# KiCad board UFC_Main.kicad_pcb (continued)
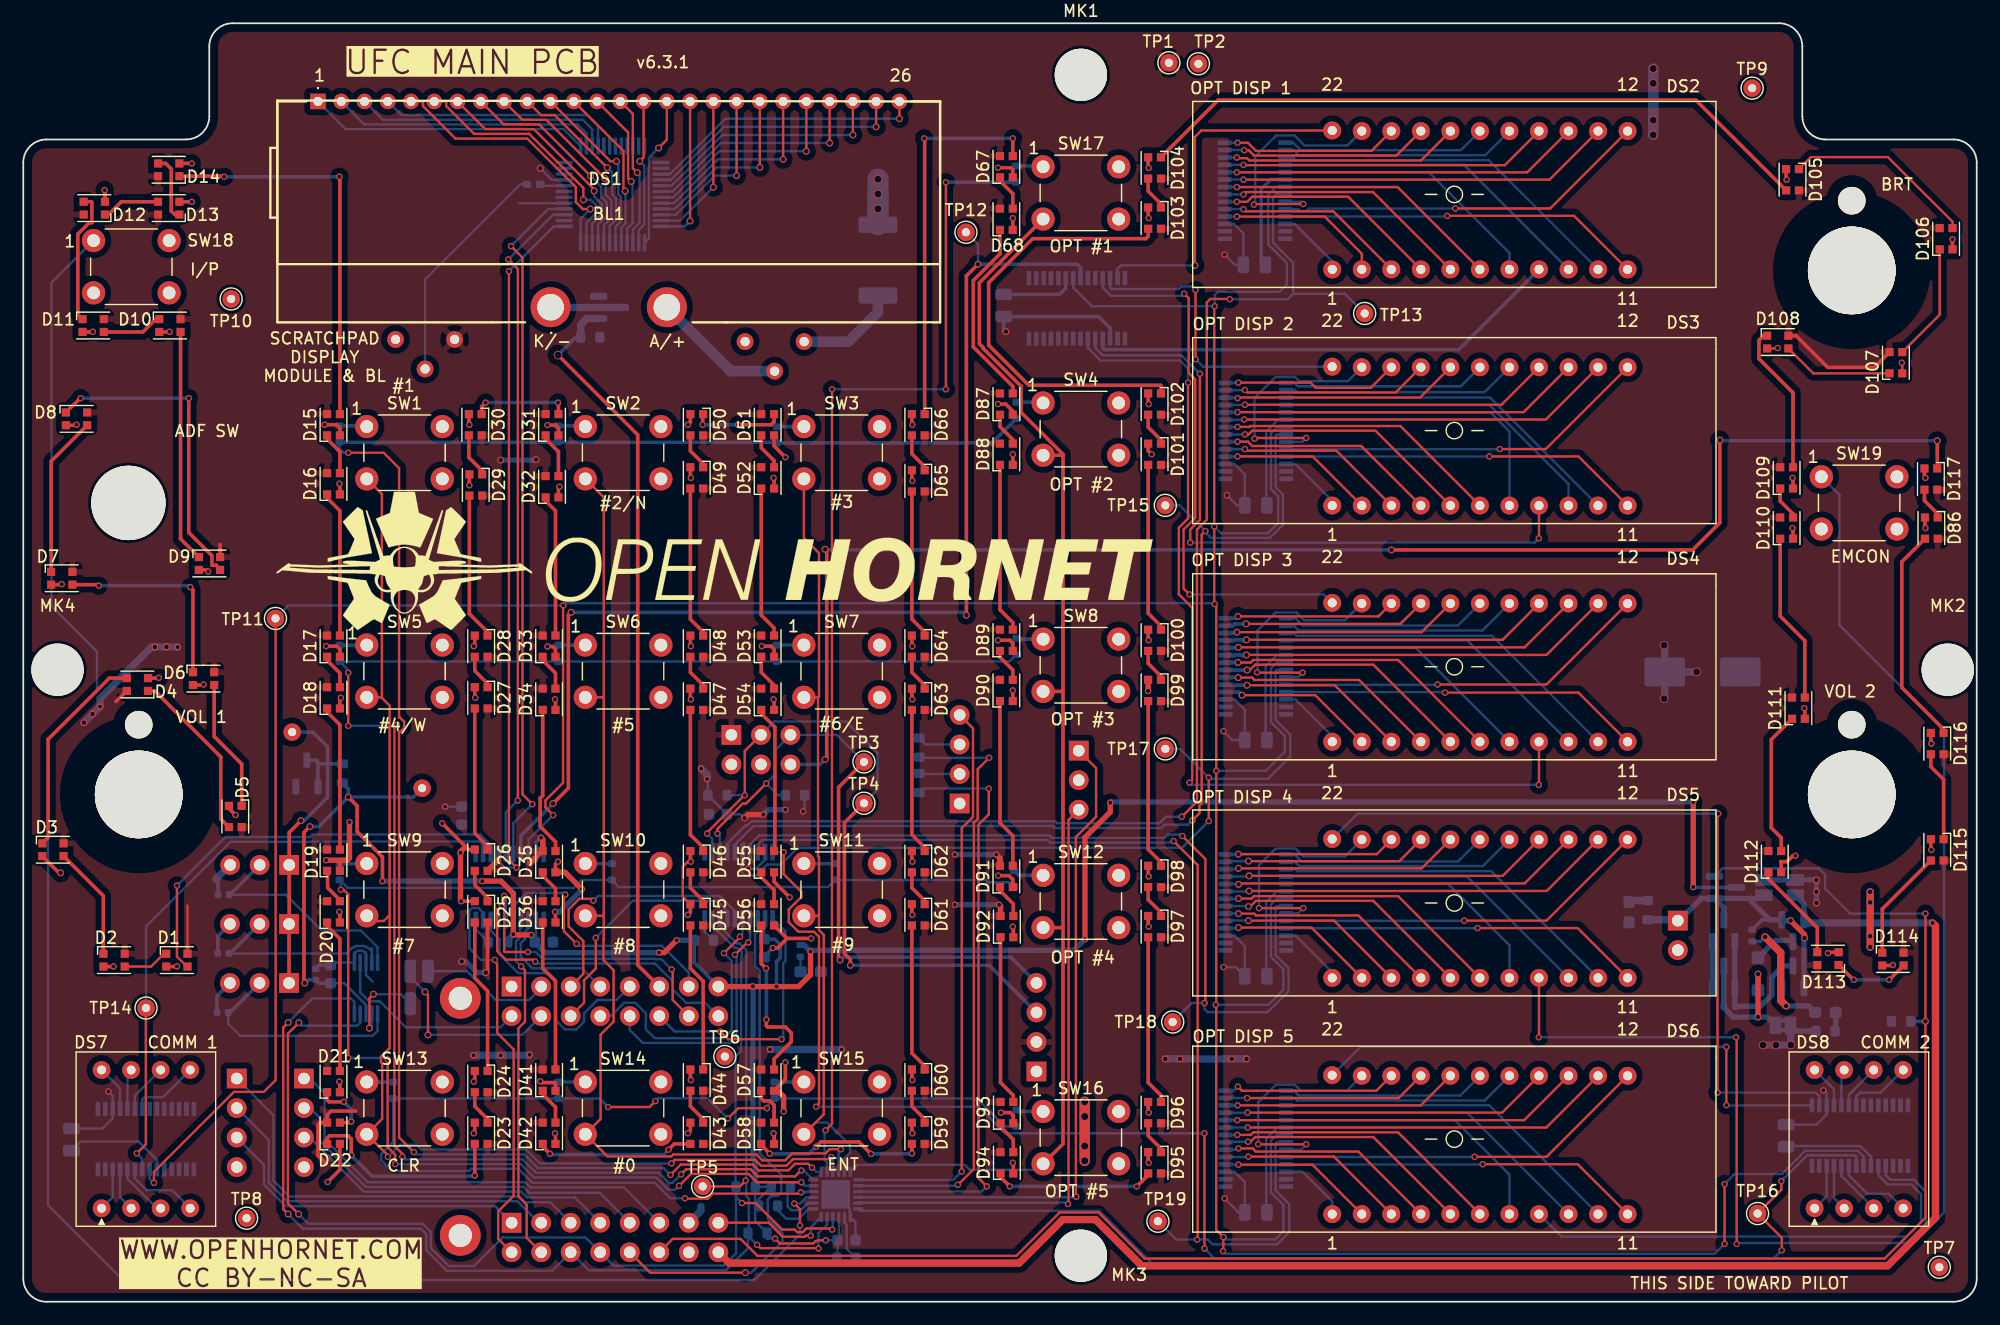
[diagram p0: board, top side]
## Routing (per net, layer and track width the routed paths; a pad name or vN(x,y) marks a point on that pad's centre or on a via; arc(x,y) is an arc through that point) (continued)
VBUS: length 149.1
  Top w0.635: MC1.32 60.71,3.33 85.66,3.33 89.4,7.07 92.22,7.07 96.19,3.1 160.34,3.1 164.45,7.22 164.45,32.34 v1(164.21,32.59)
  Bottom w0.457: JP3.1 153.14,34.24 Q4.2
  Bottom w0.635: Q4.2 153.42,32.59 v1(164.21,32.59)
VCC: length 25.5
  Top w0.457: v2(151.99,32.79) 153.19,31.59 v2(153.19,31.29)
  Bottom w0.305: 150.19,32.87 149.54,32.87 R6.1
  Bottom w0.457: JP2.1 149.4,34.7 148.59,34.7 ; Q8.1 153.14,31.24 v2(153.19,31.29) ; Q6.3 146.24,33.92 Q5.1 ; Q5.1 144.3,34.7 142.39,32.79 ; Q5.1 148.59,34.7 ; Q5.1 145.54,34.79 ; 148.59,34.7 148.59,34.47 150.19,32.87 Q4.1 151.32,32.79 v2(151.99,32.79)
  Bottom w0.635: R13.1 142.22,32.87
VCC_SNS@3.3V: length 162.8
  Top w0.203: v1(163.59,33.39) 163.59,33.39 v2(163.59,24.12) 163.59,7.22 160.08,3.72 96.44,3.72 92.47,7.69 89.14,7.69 85.4,3.95 63.15,3.95 61.68,5.41 55.85,5.41 MC1.30
  Bottom w0.203: Q5.2 146.14,37.29 154.41,37.29 154.96,36.74 154.96,35.55 157.11,33.39 v1(163.59,33.39)
  Bottom w0.305: R5.1 v2(163.59,24.12)
/1A: length 15.3
  Top w0.203: DS2.20 115.95,99.02 106.02,99.02 105.32,99.72 v1(104.43,99.72)
  Bottom w0.203: U2.28 104.42,99.72 v1(104.43,99.72)
/1B: length 17.9
  Top w0.203: DS2.19 118.09,98.61 105.85,98.61 105.38,99.08 v1(105,99.08)
  Bottom w0.203: U2.27 104.99,99.09 v1(105,99.08)
/1C: length 20.6
  Top w0.203: v1(104.37,98.45) 104.42,98.39 105.25,98.39 105.45,98.19 120.2,98.19 DS2.18
  Bottom w0.203: v1(104.37,98.45) 104.36,98.45 U2.26
/1D: length 14.5
  Top w0.203: v1(104.37,93.37) 111.92,93.37 115.11,90.18 DS2.2
  Bottom w0.203: v1(104.37,93.37) 104.36,93.37 U2.18
/1DP: length 41.2
  Bottom w0.305: DS2.8 123.44,81.91 92.99,81.91 92.83,82.07 U12.18
/1E: length 16.5
  Top w0.203: v1(104.94,94) 105.12,93.82 112.66,93.82 DS2.3
  Bottom w0.203: U2.19 104.93,94.01 v1(104.94,94)
/1F: length 19.6
  Top w0.203: DS2.4 113.94,95.07 105.69,95.07 105.26,94.64 v1(104.37,94.64)
  Bottom w0.203: v1(104.37,94.64) 104.36,94.64 U2.20
/1G: length 22.2
  Top w0.203: DS2.5 116.08,95.48 105.14,95.48 v1(104.94,95.27)
  Bottom w0.203: v1(104.94,95.27) 104.93,95.28 U2.21
/1H: length 24.9
  Top w0.203: v1(104.37,95.91) 118.19,95.91 DS2.6
  Bottom w0.203: U2.22 104.36,95.91 v1(104.37,95.91)
/1I: length 33.8
  Top w0.203: DS2.13 131.25,96.54 v1(104.94,96.54)
  Bottom w0.203: U2.23 104.93,96.55 v1(104.94,96.54)
/1J: length 31
  Top w0.203: v1(104.37,97.18) 129.35,97.18 DS2.14
  Bottom w0.203: U2.24 104.36,97.18 v1(104.37,97.18)
/1K: length 28.2
  Top w0.203: v1(104.94,97.81) 104.96,97.79 127.42,97.79 DS2.15
  Bottom w0.203: U2.25 104.93,97.82 v1(104.94,97.81)
/1L: length 20.3
  Bottom w0.203: DS2.16 125.73,98.64 109.7,98.64 109.25,99.09 108.54,99.09
/1M: length 17.7
  Bottom w0.203: 108.54,99.72 109.21,99.72 109.85,99.08 123.63,99.08 DS2.17
/1N: length 28.1
  Bottom w0.203: 108.54,97.82 123.9,97.82 DS2.9
/1O: length 30.9
  Bottom w0.203: DS2.10 126.03,98.22 109.44,98.22 109.21,98.45 108.54,98.45
/1P: length 23.6
  Bottom w0.203: DS2.7 127.81,90.23 120.86,97.18 108.54,97.18
/2A: length 15.2
  Top w0.203: v1(104.49,79.08) 110.72,79.08 111.16,78.63 115.89,78.63 DS3.20
  Bottom w0.203: v1(104.49,79.08) 104.48,79.06 U3.28
/2B: length 17.8
  Top w0.203: v1(105.06,78.44) 105.28,78.23 118.02,78.23 DS3.19
  Bottom w0.203: U3.27 105.05,78.43 v1(105.06,78.44)
/2C: length 20.4
  Top w0.203: v1(104.43,77.75) 104.48,77.8 120.13,77.8 DS3.18
  Bottom w0.203: v1(104.43,77.75) 104.38,77.79 U3.26
/2D: length 13.5
  Top w0.203: v1(104.43,72.73) 110.89,72.73 DS3.2
  Bottom w0.203: U3.18 104.41,72.71 v1(104.43,72.73)
/2DP: length 58.7
  Top w0.203: v1(101.19,79.84) 101.19,67.27 100.36,66.44 v1(100.36,65.31) 100.49,65.45 ; v1(130.34,65.68) 130.35,65.7 DS3.8
  Bottom w0.203: v1(100.36,65.31) 129.97,65.31 v1(130.34,65.68) ; U12.19 92.2,82.06 92.83,81.43 99.6,81.43 v1(101.19,79.84)
/2E: length 16.3
  Top w0.203: DS3.3 112.93,73.22 105.21,73.22 v1(105.06,73.36)
  Bottom w0.203: v1(105.06,73.36) 105.05,73.35 U3.19
/2F: length 19.1
  Top w0.203: v1(104.43,74) 105.32,74 105.69,73.63 115.07,73.63 DS3.4
  Bottom w0.203: v1(104.43,74) 104.41,73.98 U3.20
/2G: length 22.1
  Top w0.203: DS3.5 116.29,74.94 105.69,74.94 105.38,74.63 v1(105.07,74.63)
  Bottom w0.203: v1(105.07,74.63) 105.06,74.62 U3.21
/2H: length 24.7
  Top w0.203: DS3.6 118.43,75.35 105.53,75.35 105.45,75.27 v1(104.43,75.27)
  Bottom w0.203: U3.22 104.41,75.25 v1(104.43,75.27)
/2I: length 33.9
  Top w0.203: DS3.13 130.93,75.9 v1(105,75.9)
  Bottom w0.203: U3.23 104.98,75.89 v1(105,75.9)
/2J: length 31.1
  Top w0.203: DS3.14 129.03,76.54 v1(104.43,76.54)
  Bottom w0.203: v1(104.43,76.54) 104.41,76.52 U3.24
/2K: length 28.3
  Top w0.203: DS3.15 127.12,77.17 v1(105.06,77.17)
  Bottom w0.203: v1(105.06,77.17) 105.05,77.16 U3.25
/2L: length 20.2
  Bottom w0.203: DS3.16 125.66,78.25 109.55,78.25 109.37,78.43 U3.2
/2M: length 17.5
  Bottom w0.203: DS3.17 123.63,78.76 109.61,78.76 109.31,79.06 U3.1
/2N: length 29
  Bottom w0.203: U3.4 126.1,77.16 132.89,70.36 DS3.9
/2O: length 30.7
  Bottom w0.203: DS3.10 126.14,77.79 U3.3
/2P: length 26.3
  Bottom w0.203: U3.5 126.16,76.52 127.81,74.87 DS3.7
/3A: length 14.9
  Top w0.203: DS4.20 116.54,58.97 v2(104.47,58.97)
  Bottom w0.305: 104.61,58.97 104.46,58.82 103.42,58.82
/3B: length 17.6
  Top w0.203: DS4.19 118.43,58.32 v2(105.17,58.32)
  Bottom w0.305: v2(105.17,58.32) 104.22,58.32 104.16,58.26 104.1,58.26 104.01,58.17 U4.27
/3C: length 20.3
  Top w0.203: v2(104.37,57.61) 120.26,57.61 DS4.18
  Bottom w0.305: U4.26 104.36,57.53
/3D: length 13.5
  Top w0.203: v2(104.81,52.19) 111.11,52.19 DS4.2
  Bottom w0.305: U4.18 104.54,52.45 v2(104.81,52.19)
/3DP: length 80.5
  Top w0.203: DS4.8 130.35,44.49 v1(130.34,44.47) ; v1(100.18,79.08) 100.18,67.39 99.38,66.6 99.38,60.86 100.53,59.71 100.53,44.89 v1(100.3,44.66)
  Bottom w0.203: v1(100.3,44.66) 100.49,44.47 v1(130.34,44.47) ; U12.20 91.56,82.06 92.64,80.98 99.48,80.98 100.18,80.29 v1(100.18,79.08)
/3E: length 16.2
  Top w0.203: v2(105.24,53.05) 112.79,53.05 DS4.3
  Top w0.305: 105.24,53.04 v2(105.24,53.05)
  Bottom w0.305: 103.45,53.05 v2(105.24,53.05)
/3F: length 19.2
  Top w0.203: DS4.4 114.88,53.5 105.88,53.5 105.68,53.7 v2(104.49,53.7)
  Bottom w0.305: U4.20 104.61,53.72
/3G: length 22.3
  Top w0.203: v2(105.24,54.35) 105.48,54.35 105.95,54.81 116.1,54.81 DS4.5
  Top w0.305: 105.26,54.33 v2(105.24,54.35)
  Bottom w0.305: 103.42,54.35 v2(105.24,54.35)
/3H: length 25
  Top w0.203: v2(104.47,55) 105.57,55 105.78,55.22 118.24,55.22 DS4.6
  Bottom w0.305: U4.22 104.54,54.99
/3I: length 34
  Top w0.203: v2(105.19,55.65) 131,55.65 DS4.13
  Top w0.305: 105.25,55.71 v2(105.19,55.65)
  Bottom w0.305: v2(105.19,55.65) 105.12,55.58 104.81,55.58 104.74,55.65 104.2,55.65 104.12,55.58 103.46,55.58
/3J: length 31.1
  Top w0.203: v2(104.5,56.3) 129.12,56.3 DS4.14
  Top w0.305: 104.52,56.33 v2(104.5,56.3)
  Bottom w0.305: U4.24 104.55,56.26
/3K: length 28.5
  Top w0.203: v2(105.2,56.96) 127.23,56.96 DS4.15
  Top w0.305: v2(105.2,56.96) 105.25,56.96 105.31,56.9
  Bottom w0.305: 103.42,56.88 104.15,56.88 104.23,56.96 104.77,56.96 104.84,56.88 105.12,56.88 v2(105.2,56.96)
/3L: length 20.4
  Bottom w0.203: DS4.16 125.47,57.74 109.7,57.74 109.27,58.17 U4.2
/3M: length 17.7
  Bottom w0.203: DS4.17 123.38,58.19 110.02,58.19 109.4,58.8 U4.1
/3N: length 27.9
  Bottom w0.203: U4.4 124.18,56.9 DS4.9
/3O: length 30.7
  Bottom w0.203: U4.3 109.27,57.53 109.51,57.3 126.31,57.3 DS4.10
/3P: length 22.6
  Bottom w0.203: U4.5 119.73,56.26 DS4.7
/4A: length 14.8
  Top w0.203: v2(104.49,38.51) 116.4,38.51 DS5.20
  Bottom w0.203: U7.28 104.47,38.48 v2(104.49,38.51)
/4B: length 17.5
  Top w0.203: v2(105.37,37.91) 118.34,37.91 DS5.19
  Bottom w0.203: 103.45,37.89 103.46,37.91 v2(105.37,37.91)
/4C: length 20.4
  Top w0.203: DS5.18 120.26,37.29 v2(104.51,37.29)
  Bottom w0.203: U7.26 104.43,37.21 v2(104.51,37.29)
/4D: length 13.7
  Top w0.203: 104.6,32.1 v2(104.51,32.19) 110.78,32.19 DS5.2
  Bottom w0.203: v2(104.51,32.19) 104.45,32.13 U7.18
/4DP: length 64.5
  Top w0.203: DS5.8 130.35,22.77 v1(130.34,22.75) ; v1(147.29,22.75) 147.36,22.69 v1(147.36,4.97)
  Bottom w0.203: v1(147.36,4.97) 147.43,5.05 161.98,5.05 163.61,6.68 163.61,9.48 162.6,10.5 160.56,10.5 160.17,10.89 U5.4 ; v1(147.29,22.75) v1(130.34,22.75)
/4E: length 16.3
  Top w0.203: v2(105.37,32.79) 112.72,32.79 DS5.3
  Bottom w0.203: 103.43,32.79 v2(105.37,32.79)
/4F: length 19.1
  Top w0.203: 104.51,33.39 v2(104.51,33.39) 105.86,33.39 106.01,33.24 114.82,33.24 DS5.4
  Bottom w0.203: v2(104.51,33.39) 104.5,33.4 U7.20
/4G: length 22.3
  Top w0.203: v2(105.37,34) 105.52,34 106.01,34.49 116.1,34.49 DS5.5
  Bottom w0.203: v2(105.37,34) 105.33,34.04 U7.21
/4H: length 24.9
  Top w0.203: DS5.6 118.24,34.9 105.84,34.9 105.64,34.69 v2(104.51,34.69) 104.55,34.65
  Bottom w0.203: U7.22 104.49,34.67 v2(104.51,34.69)
/4I: length 33.9
  Top w0.203: v2(105.42,35.34) 131.01,35.34 DS5.13
  Bottom w0.203: U7.23 105.39,35.31 v2(105.42,35.34)
/4J: length 31.1
  Top w0.203: DS5.14 129.13,35.99 104.6,35.99 v2(104.51,35.91) 104.53,35.89
  Bottom w0.203: U7.24 104.48,35.94 v2(104.51,35.91)
/4K: length 28.3
  Top w0.203: v2(105.42,36.65) 127.24,36.65 DS5.15
  Bottom w0.203: U7.25 105.35,36.58 v2(105.42,36.65)
/4L: length 20.3
  Bottom w0.203: DS5.16 125.54,37.49 109.74,37.49 109.37,37.85 U7.2
/4M: length 17.7
  Bottom w0.203: U7.1 109.34,38.48 109.93,37.89 123.4,37.89 DS5.17
/4N: length 27.9
  Bottom w0.203: U7.4 124.18,36.58 DS5.9
/4O: length 30.7
  Bottom w0.203: DS5.10 126.25,37.04 109.58,37.04 109.41,37.21 U7.3
/4P: length 24.2
  Bottom w0.203: U7.5 122.54,35.94 127.81,30.68 DS5.7
/5A: length 15.1
  Top w0.203: v1(104.46,18.51) 104.81,18.15 116.36,18.15 DS6.20
  Bottom w0.203: v1(104.46,18.51) 104.11,18.16 U11.28
/5B: length 17.6
  Top w0.203: v1(105.25,17.52) 118.28,17.52 DS6.19
  Bottom w0.203: v1(105.25,17.52) 105.25,17.53 U11.27
/5C: length 20.5
  Top w0.203: 104.47,17.01 104.43,16.98 v1(104.43,16.9) 120.19,16.9 DS6.18
  Bottom w0.203: U11.26 104.43,16.89 v1(104.43,16.9)
/5D: length 13.5
  Top w0.203: v1(104.51,11.79) 110.86,11.79 DS6.2
  Bottom w0.203: v1(104.51,11.79) 104.49,11.81 U11.18
/5DP: length 41.7
  Bottom w0.203: U5.5 159.54,10.89 160.33,10.1 162.36,10.1 163.21,9.25 163.21,6.85 161.97,5.61 132.29,5.61 DS6.8
/5E: length 16.3
  Top w0.203: DS6.3 112.7,12.49 v1(105.37,12.49)
  Bottom w0.203: v1(105.37,12.49) 105.33,12.45 U11.19
/5F: length 19.2
  Top w0.203: DS6.4 114.82,12.92 106.01,12.92 105.74,13.19 v1(104.51,13.19)
  Bottom w0.203: v1(104.51,13.19) 104.4,13.08 U11.20
/5G: length 22.2
  Top w0.203: DS6.5 116.1,14.17 105.95,14.17 105.54,13.77 v1(105.33,13.77)
  Bottom w0.203: 103.45,13.77 v1(105.33,13.77)
/5H: length 24.9
  Top w0.203: DS6.6 118.24,14.58 105.78,14.58 105.56,14.35 v1(104.4,14.35) 104.44,14.39
  Bottom w0.203: U11.22 v1(104.4,14.35)
/5I: length 33.9
  Top w0.203: v1(105.31,14.99) 130.98,14.99 DS6.13
  Bottom w0.203: v1(105.31,14.99) 105.31,14.99 U11.23
/5J: length 31.1
  Top w0.203: DS6.14 129.08,15.62 v1(104.4,15.62) 104.44,15.59
  Bottom w0.203: U11.24 v1(104.4,15.62)
/5K: length 28.3
  Top w0.203: v1(105.3,16.27) 127.18,16.27 DS6.15
  Bottom w0.203: v1(105.3,16.27) 105.29,16.26 U11.25
/5L: length 20.2
  Bottom w0.203: U11.2 109.34,17.53 109.55,17.32 125.69,17.32 DS6.16
/5M: length 17.6
  Bottom w0.203: DS6.17 123.57,17.74 109.7,17.74 109.27,18.16 U11.1
/5N: length 27.9
  Bottom w0.203: U11.4 124.18,16.26 DS6.9
/5O: length 30.7
  Bottom w0.203: U11.3 109.4,16.89 109.42,16.91 126.06,16.91 DS6.10
/5P: length 24.5
  Bottom w0.2: DS6.7 127.81,10.93 123.12,15.62 U11.5
/ADF1: length 58.5
  Top w0.203: J9.1 92.26,45.92 92.26,41.73 90.53,39.99 90.53,9.07 v1(90.56,9.04)
  Bottom w0.203: U10.16 90.51,8.98 v1(90.56,9.04)
/ADF2: length 52.3
  Top w0.203: v1(89.84,8.41) 89.9,8.46 89.9,41.46 J9.3
  Bottom w0.203: v1(89.84,8.41) 89.72,8.53 71.85,8.53
/AIN0: length 17.7
  Bottom w0.203: C6.2 17.72,29.96 27.8,29.96 28.31,30.47 28.44,30.47 28.58,30.61 29.38,30.61 29.52,30.47 29.64,30.47 29.83,30.28 29.98,30.43 U13.4
  Bottom w0.305: C6.2 17.81,29.99 J8.2
/AIN1: length 20.1
  Bottom w0.203: U13.5 30.48,30.5 29.03,31.94 25.67,31.94 22.59,35.02 C5.2
  Bottom w0.305: J3.2 17.77,35.02 C5.2 ; 19.82,37.58 20.32,37.58
/AIN2: length 19.6
  Bottom w0.203: U13.6 30.48,23.31 30.04,22.88 18.66,22.88 17.62,23.92 C8.2
  Bottom w0.305: J4.2 17.78,24.88 C8.2
/BIT_SW: length 49.4
  Top w0.203: v1(80.71,11.21) 80.71,40.74 81.68,41.71 81.68,49.33 J6.4
  Bottom w0.203: U10.13 79.99,10.48 v1(80.71,11.21)
/BL_DATA2: length 27.1
  Top w0.305: 16.93,63.04 16.6,63.37 16.23,63.37 16.23,64.19 14.23,66.19 v1(14.23,77.74) ; v1(4.94,77.74) 4.9,77.74 D8.1
  Bottom w0.305: v1(14.23,77.74) v1(4.94,77.74)
/BL_DATA3: length 12.6
  Top w0.305: D17.3 27.23,68.06 26.13,69.16 26.13,69.46
/BL_DATA4: length 13.2
  Top w0.305: D25.3 38.83,27.84 39.93,26.74 D24.1
/BL_DATA5: length 12.2
  Top w0.305: D33.3 45.77,68.06 44.93,68.9 D32.1
/BL_DATA6: length 12.8
  Top w0.305: 58.47,19.98 58.47,27.58 57.37,28.68 D45.3
/BL_DATA7: length 13.1
  Top w0.305: D52.1 63.47,59.08 64.57,57.98 D53.3
/BL_DATA8: length 12.8
  Top w0.305: 77.52,19.98 77.52,20.29 76.42,21.39 D61.3
/BL_DATA9: length 16.4
  Top w0.305: D87.3 85.1,78.76 81.7,82.16 81.7,87.86 84,90.16 D68.1
/BL_DATA10: length 2.9
  Top w0.305: 85.14,12.87 85.14,13.95 84.04,15.05 D93.1
/BL_DATA11: length 2.9
  Top w0.305: 96.74,76.32 96.74,75.24 97.84,74.14 D101.1
/BL_DATA12: length 2.9
  Top w0.305: D109.1 151.1,68.89 152.2,67.79 D110.3
/C1_GRID1: length 4
  Bottom w0.203: DS7.8 8.32,18.35 U6.18
/C1_GRID2: length 3
  Bottom w0.203: U6.19 8.96,19.62
/C1_GRID3: length 4.3
  Bottom w0.203: DS7.6 9.59,17.72 U6.20
/C1_GRID4: length 6
  Bottom w0.203: DS7.5 12,17.59 10.42,17.59 10.23,17.4 U6.21
/C1_SEG1: length 6.6
  Bottom w0.203: DS7.4 12.81,9.59 10.63,9.59 9.59,10.62 U6.9
/C1_SEG2: length 4.4
  Bottom w0.203: 11.51,8.04 8.96,10.59 U6.10
/C1_SEG3: length 3.7
  Bottom w0.203: DS7.2 8.32,8.99 U6.11
/C1_SEG4: length 3.7
  Bottom w0.203: U6.12 7.69,8.99 DS7.1
/C_GRID1: length 3.7
  Bottom w0.203: U5.18 155.73,18.27 DS8.8
/C_GRID2: length 2.8
  Bottom w0.203: U5.19 156.36,19.71
/C_GRID3: length 3.9
  Bottom w0.203: DS8.6 157,17.8 U5.20
/C_GRID4: length 5.8
  Bottom w0.203: DS8.5 159.72,17.99 157.96,17.99 157.63,17.66 U5.21
/C_SEG1: length 6.7
  Bottom w0.203: DS8.4 160.43,9.29 158.59,9.29 157,10.89 U5.9
/C_SEG2: length 4.8
  Bottom w0.203: U5.10 156.36,10.82 DS8.3
/C_SEG3: length 4
  Bottom w0.203: U5.11 155.73,8.91 156.6,8.04
/C_SEG4: length 4.1
  Bottom w0.203: DS8.1 155.09,9.08 U5.12
/COL0: length 105.7
  Top w0.203: 30.84,51.96 30.8,52 SW5.3 ; 30.84,51.96 30.84,69.5 SW1.3 ; 30.84,51.96 31.51,51.3 31.51,33.27 ; v1(31.35,12.46) 31.35,12.6 SW13.3 30.87,15.74 30.87,20.51 30.76,20.61 30.76,21.09 31.51,21.83 31.51,33.27 ; 31.51,33.27 31,32.76 29.99,32.76 SW9.3 ; v1(69.48,12.44) 69.32,12.27 66.2,12.27 65.64,11.71 63.45,11.71 62.94,12.21 56,12.21 56,12.17 v1(55.74,11.91)
  Bottom w0.203: v1(31.35,12.46) 32.39,13.5 33.85,13.5 34.26,13.09 43.24,13.09 44.43,11.91 v1(55.74,11.91) ; v1(69.48,12.44) 69.62,12.3 U10.9
/COL1: length 87.1
  Top w0.203: SW6.3 49.88,52 49.92,51.96 ; 49.92,51.96 49.92,33.17 ; 49.92,51.96 49.92,69.21 SW2.3 ; SW10.3 49.88,33.21 49.92,33.17 ; 49.92,33.17 49.92,31.23 49.9,31.21 49.9,29.4 50.77,28.53 50.77,24.1 49.65,22.98 49.65,15.73 SW14.3 50.24,12.51 55.73,12.51 55.89,12.67 63.05,12.67 63.55,12.17 65.53,12.17 66.13,12.77 68.99,12.77 69.35,13.12 v1(70.32,13.12)
  Bottom w0.203: U10.10 70.12,12.93 v1(70.32,13.12)
/COL2: length 68.2
  Top w0.203: 68.43,33.29 68.43,38.25 68.35,38.33 68.35,52.01 68.43,52.09 ; 68.43,33.29 68.43,31.98 68.84,31.57 68.84,16.12 SW15.3 ; 68.43,33.29 68.35,33.21 SW11.3 ; 68.43,52.09 68.35,52 SW7.3 ; 68.43,52.09 68.43,64.42 67.13,65.72 SW3.3
  Bottom w0.203: U10.11 70.62,12.36 71.1,12.84 71.1,13.47 69.15,15.41 68.13,15.41 SW15.3
/COL3: length 109
  Top w0.305: SW16.3 89.42,13.58 89.42,32.28 ; SW8.3 89.33,52.51 89.42,52.6 ; SW4.3 89.33,72.83 89.42,72.92 ; 89.42,72.92 89.42,52.6 ; 89.42,72.92 85.8,76.53 85.8,78.77 82.52,82.05 82.52,82.13 82.22,82.43 82.22,87.67 SW17.3 ; 89.42,52.6 89.42,32.28 ; 89.42,32.28 89.33,32.19 SW12.3
  Bottom w0.203: U10.12 71.74,11.78 80.95,11.78 81.38,11.35 87.18,11.35
/COM0: length 24.2
  Bottom w0.203: U1.13 46.48,100.89 27.71,100.89 25.35,103.25
/COM1: length 23.3
  Bottom w0.203: U1.14 48.43,100.52 47.66,101.29 29.33,101.29 DS1.2
/COM2: length 22
  Bottom w0.203: U1.15 48.93,100.88 48.11,101.7 30.92,101.7 DS1.3
/COM3: length 20.7
  Bottom w0.203: U1.16 49.43,101.17 48.5,102.1 32.52,102.1 DS1.4
/GO_LED: length 3.4
  Bottom w0.203: 77.1,45.41 J6.2
/NOGO_LED: length 3.7
  Bottom w0.203: J6.3 77.61,47.95 77.05,48.51
/OP1D1: length 6.1
  Bottom w0.203: DS2.1 112.57,89.51 109.34,92.74 108.54,92.74
/OP1D2: length 20.9
  Top w0.203: v1(105.83,94.4) 105.88,94.45 v1(110.08,94.45)
  Bottom w0.203: 108.54,94.64 109.88,94.64 v1(110.08,94.45) ; v1(105.83,94.4) 105.95,94.52 105.95,98.54 107.76,100.35 109.31,100.35 110.17,99.49 113.88,99.49 DS2.21
/OP1D3: length 32.4
  Top w0.203: v1(123.16,94.06) 131.32,94.06 DS2.12
  Bottom w0.203: 108.54,94.01 109.63,94.01 109.82,93.82 110.34,93.82 110.59,94.06 v1(123.16,94.06)
/OP1D4: length 31.4
  Top w0.203: DS2.11 133.37,93.43 v1(122.46,93.43)
  Bottom w0.203: v1(122.46,93.43) 122.41,93.37 108.54,93.37
/OP1D5: length 30.7
  Top w0.203: DS2.22 101.32,100.77 100.76,100.22 v2(100.76,89.17)
  Bottom w0.203: v2(100.76,89.17) 94.4,89.17 94.1,88.87 U12.13
/OP2D1: length 5.7
  Bottom w0.203: U3.12 109.41,72.08 112.57,68.91 DS3.1
/OP2D2: length 20.5
  Top w0.203: v1(105.89,74.25) 105.95,74.32 v1(110.34,74.32)
  Bottom w0.203: DS3.21 113.92,79.21 109.73,79.21 109.38,79.56 107.7,79.56 105.89,77.75 v1(105.89,74.25) ; v1(110.34,74.32) 110,73.98 U3.9
/OP2D3: length 32.3
  Top w0.203: v1(126.97,73.36) 130.93,73.36 DS3.12
  Bottom w0.203: U3.10 126.95,73.35 v1(126.97,73.36)
/OP2D4: length 31.1
  Top w0.203: v1(126.08,72.73) 133.75,72.73 DS3.11
  Bottom w0.203: v1(126.08,72.73) 126.07,72.71 U3.11
/OP2D5: length 26.4
  Top w0.203: v1(100.81,87.05) 100.81,87.05 v1(100.81,81.1)
  Bottom w0.203: v1(100.81,81.1) 101.46,80.45 DS3.22 ; v1(100.81,87.05) 100.5,87.36 99.58,87.36 99.35,87.13 93.6,87.13 93.47,87.26 U12.12
/OP3D1: length 5.8
  Bottom w0.203: U4.12 109.41,51.82 112.57,48.65 DS4.1
/OP3D2: length 19.6
  Top w0.203: v1(110.02,54.12) 106.14,54.12 v1(106.11,54.16)
  Bottom w0.203: DS4.21 113.66,58.63 110.17,58.63 109.49,59.31 107.7,59.31 106.14,57.75 106.14,54.19 v1(106.11,54.16) ; U4.9 109.62,53.72 v1(110.02,54.12)
/OP3D3: length 32.3
  Top w0.203: DS4.12 131,53.11 v1(121.64,53.11)
  Bottom w0.203: U4.10 121.62,53.09 v1(121.64,53.11)
/OP3D4: length 31.1
  Top w0.203: v1(122.27,52.41) 133.75,52.41 DS4.11
  Bottom w0.203: U4.11 122.23,52.45 v1(122.27,52.41)
/OP3D5: length 47.6
  Top w0.203: v1(99.84,86.73) 100.23,86.34 100.23,79.92 100.79,79.35 100.79,67.44 99.78,66.43 99.78,61.37 v1(100.3,60.85)
  Bottom w0.203: v1(99.84,86.73) 99.66,86.56 93.54,86.56 92.83,87.26 U12.11 ; v1(100.3,60.85) 111.85,60.85 DS4.22
/OP4D1: length 5.8
  Bottom w0.203: U7.12 109.41,31.5 112.57,28.33 DS5.1
/OP4D2: length 19.5
  Top w0.203: v1(110.08,33.87) v1(106.27,33.87)
  Bottom w0.203: DS5.21 113.66,38.31 110.08,38.31 109.41,38.99 107.7,38.99 106.27,37.55 v1(106.27,33.87) ; U7.9 109.62,33.4 v1(110.08,33.87)
/OP4D3: length 32.3
  Top w0.203: v1(123.92,32.79) 131,32.79 DS5.12
  Bottom w0.203: U7.10 123.91,32.77 v1(123.92,32.79)
/OP4D4: length 31.2
  Top w0.203: v1(125.07,32.15) 133.68,32.15 DS5.11
  Bottom w0.203: U7.11 125.05,32.13 v1(125.07,32.15)
/OP4D5: length 67.8
  Top w0.203: v1(145.77,41.99) 145.7,41.93 v1(145.7,17.99)
  Bottom w0.203: DS5.22 114.75,41.99 v1(145.77,41.99) ; U5.16 154.46,17.69 154.16,17.99 v1(145.7,17.99)
/OP5D1: length 6.7
  Bottom w0.203: DS6.1 112.57,8.62 110,11.2 108.62,11.2 U11.12
  Bottom w0.305: 112.57,8.12 DS6.1
/OP5D2: length 20
  Top w0.203: v1(110.34,13.55) v1(106.21,13.55)
  Bottom w0.203: DS6.21 113.81,18.14 109.89,18.14 109.37,18.67 107.7,18.67 106.21,17.17 v1(106.21,13.55) ; U11.9 109.87,13.08 v1(110.34,13.55)
/OP5D3: length 32.3
  Top w0.203: DS6.12 131,12.47 v1(124.81,12.47)
  Bottom w0.203: U11.10 124.8,12.45 v1(124.81,12.47)
/OP5D4: length 31.2
  Top w0.203: v1(125.51,11.83) 133.68,11.83 DS6.11
  Bottom w0.203: U11.11 125.49,11.81 v1(125.51,11.83)
/OP5D5: length 47.3
  Top w0.203: v1(146.47,21.93) v1(146.47,16.91)
  Bottom w0.203: v1(146.47,16.91) 146.49,16.89 U5.15 ; v1(146.47,21.93) 115,21.93 DS6.22
/ROW0: length 101.3
  Top w0.203: v1(79.35,78.51) v1(79.35,96.32) ; v1(69.55,78.51) 69.55,15.31 v1(69,14.75)
  Bottom w0.203: U10.8 69.12,11.99 68.91,12.2 68.91,14.66 v1(69,14.75) ; v1(69.55,78.51) v1(79.35,78.51)
  Bottom w0.305: D69.2 v1(79.35,96.32)
/ROW1: length 162.1
  Top w0.203: v1(67.83,11.54) 67.5,11.87 66.37,11.87 65.8,11.3 63.24,11.3 62.74,11.81 56.55,11.81 v1(55.66,10.91) ; v1(33.59,12.87) 32.32,14.14 32.32,49.02 32.39,49.02 32.76,49.39 32.76,49.9 32.39,50.27 32.32,50.27 32.32,71.72 31,73.04 v1(27.95,73.04)
  Bottom w0.203: v1(55.66,10.91) 55.07,11.5 44.26,11.5 43.09,12.68 33.79,12.68 v1(33.59,12.87) ; U10.7 68.2,11.17 v1(67.83,11.54) ; D70.2 27.19,73.42 27.57,73.04 v1(27.95,73.04)
  Bottom w0.305: 27.21,73.95 45.96,73.95 ; D72.2 83.31,73.89 D73.2 ; 46.01,73.95 64.76,73.95
/ROW2: length 143.6
  Top w0.203: v1(32.6,12.48) 32.6,12.73 31.92,13.42 31.92,49.43 v1(32.13,49.64) ; v1(56.58,10.97) 57.01,11.4 62.54,11.4 63.15,10.79 66.38,10.79 66.88,11.3 v1(66.91,11.3) ; v1(27.95,49.55) v1(27.95,54.12)
  Bottom w0.203: v1(32.6,12.48) 32.84,12.25 42.94,12.25 44.08,11.1 54.65,11.1 55.54,10.21 55.82,10.21 v1(56.58,10.97) ; D77.2 84.81,55.09 D76.2 D75.2 D74.2 27.95,54.35 v1(27.95,54.12) ; v1(27.95,49.55) 32.04,49.55 v1(32.13,49.64) ; U10.6 67.12,11.3 v1(66.91,11.3)
/ROW3: length 125.5
  Top w0.203: v1(66.91,10.28) 63.1,10.28 62.37,11 57.42,11 v1(56.4,9.98) ; v1(31.99,11.84) 31.99,12.65 31.34,13.29 v1(31.34,20.85) ; v1(27.32,35.45) 27.54,35.45 27.95,35.04 v1(27.95,20.97)
  Bottom w0.203: v1(27.32,35.45) 27.32,36.19 ; D78.2 27.89,35.61 47.33,35.61 48.02,36.29 D79.2 51.22,35.68 69.2,35.68 D80.2 ; v1(31.34,20.85) 31.21,20.97 v1(27.95,20.97) ; 69.81,36.29 82.76,36.29 82.97,36.09 84.81,36.09 D81.2 ; v1(31.99,11.84) 42.77,11.84 43.92,10.7 54.44,10.7 55.51,9.63 56.05,9.63 v1(56.4,9.98) ; U10.5 67.21,9.98 v1(66.91,10.28)
/ROW4: length 101.4
  Top w0.203: v1(63.96,16.66) 61.48,16.66 v1(60.59,15.77) ; v1(56.91,8.91) 56.94,8.87 58.87,8.87 59.29,9.3 66.76,9.3 v1(66.88,9.41) ; v1(50.3,16.76) 53.86,16.76 v1(54.37,17.26)
  Bottom w0.203: v1(50.3,16.76) 49.57,17.49 D83.2 D82.2 31.81,13.74 30.78,12.7 30.78,12.17 31.69,11.25 38.34,11.25 38.53,11.44 42.58,11.44 43.78,10.24 54.3,10.24 55.63,8.91 v1(56.91,8.91) ; v1(60.59,15.77) 58.84,17.52 54.62,17.52 v1(54.37,17.26) ; v1(63.96,16.66) 63.96,16.84 D84.2 81.81,17.49 82.12,17.19 82.32,17.19 84.41,15.09 D85.2 ; v1(66.88,9.41) 66.89,9.41 67.25,9.41 67.32,9.47 67.92,9.47
/SEG0: length 23.5
  Top w0.203: v2(48.76,94.01) 48.12,94.01 47.52,94.61 47.52,95.91 43.35,100.08 37.17,100.08 34.38,102.87 34.38,103.27 DS1.5
  Bottom w0.203: v2(48.76,94.01) 47.93,93.18 U1.48
/SEG1: length 22.1
  Top w0.203: DS1.6 36.38,103.27 36.38,102.87 38.77,100.48 43.51,100.48 48.17,95.83 v2(48.17,94.81)
  Bottom w0.203: U1.47 48.43,92.83 49.37,93.77 49.37,94.25 48.81,94.81 v2(48.17,94.81)
/SEG2: length 20.1
  Top w0.203: v2(49.1,95.57) 49.1,95.71 43.92,100.89 43.25,100.89 43.24,100.89 42.61,100.89 42.61,100.9 39.72,100.9 DS1.7
  Bottom w0.203: v2(49.1,95.57) 49.1,95.1 49.77,94.42 49.77,93.6 48.93,92.76 U1.46
/SEG3: length 18.7
  Top w0.203: v2(48.79,96.86) 44.36,101.29 43.42,101.29 43.41,101.3 42.78,101.3 42.78,101.3 41.32,101.3 DS1.8
  Bottom w0.203: v2(48.79,96.86) 49.7,95.96 49.7,95.07 50.18,94.59 50.18,93.44 49.43,92.69 U1.45
/SEG4: length 17.5
  Top w0.203: v2(50.03,96.64) 44.98,101.69 43.58,101.69 43.57,101.7 42.92,101.7 DS1.9
  Bottom w0.203: U1.44 49.93,92.62 50.58,93.27 50.58,94.75 50.1,95.23 50.1,96.57 v2(50.03,96.64)
/SEG5: length 16.2
  Top w0.203: v2(50.22,97.57) 45.7,102.09 44.53,102.09 DS1.10
  Bottom w0.203: U1.43 50.43,92.55 50.98,93.1 50.98,94.92 50.65,95.26 50.65,97.15 v2(50.22,97.57)
/SEG6: length 15.2
  Top w0.203: v2(51.02,98.12) 50.5,98.12 DS1.11
  Bottom w0.203: U1.42 50.93,92.48 51.39,92.94 51.39,95.09 51.16,95.31 51.16,97.98 v2(51.02,98.12)
/SEG7: length 14.1
  Top w0.203: DS1.12 51.62,99 51.62,95.7 v2(51.76,95.56)
  Bottom w0.203: v2(51.76,95.56) 51.76,95.29 51.79,95.27 51.79,92.77 51.43,92.42 U1.41
/SEG8: length 13.6
  Top w0.203: DS1.13 52.02,100.6 52.02,96.65 v2(52.28,96.39)
  Bottom w0.203: U1.40 51.93,92.35 52.4,92.81 52.4,96.27 v2(52.28,96.39)
/SEG9: length 13.1
  Top w0.203: DS1.14 52.42,102.2 52.42,97.53 v2(52.8,97.15)
  Bottom w0.203: v2(52.8,97.15) 53,96.95 53,92.84 52.43,92.28 U1.39
/SEG10: length 12.6